# Altium PCB MSP-EXP430FR2433_PCB.PcbDoc (part 2 of 2)
Units mil, origin at the board's own origin, x right, y up, seen from the top; angles counter-clockwise.
Board outline 2300 x 2900 mil, 4 copper layers (Top Layer, VCC Layer, GND Layer, Bottom Layer), stack 30.634 mil thick; 130 components, 92 nets, 410 pads, 310 vias.
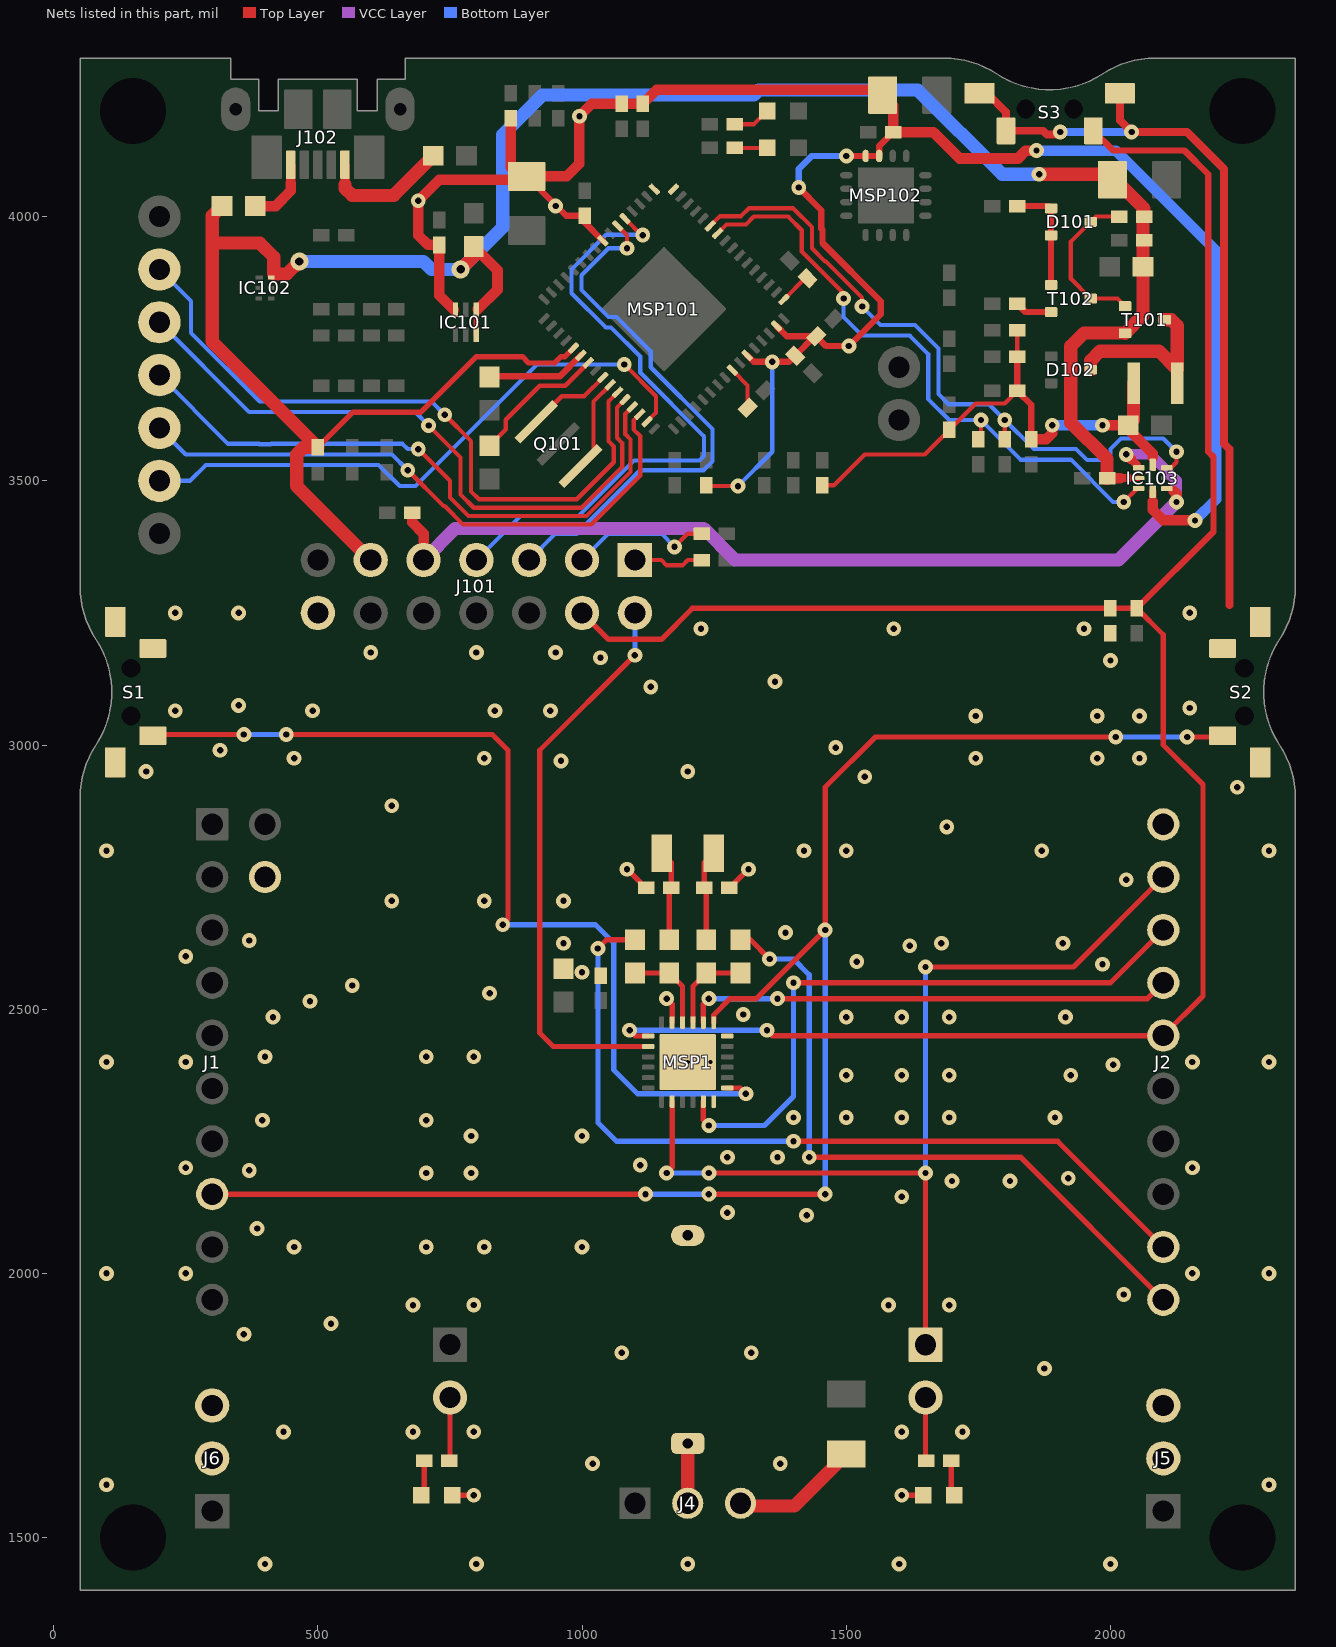
[diagram p4: the nets of this part, all layers, seen from the top]

## Via types
v1: diameter 28, hole 12, Top Layer to Bottom Layer, 304 vias
v2: diameter 19.68, hole 7.87, Top Layer to Bottom Layer, 3 vias
v3: diameter 34, hole 16, Top Layer to Bottom Layer, 2 vias
v4: diameter 32, hole 16, Top Layer to Bottom Layer, 1 vias

## Nets (pads, with @x,y where several pads share a name; then routed paths per layer and width w, separated by ;. In a path a pad name is that pad's centre, name@x,y a point inside that pad or via, vN(x,y) a via of type N, cw(c..) or ccw(c..) an arc to the next point about the centre after c; other vN are vias at no path point) (continued)
EZFET_TCK: MSP101.63 TP106.1 | length 1144.1
  Top Layer w8: v1(1080,3720) 1140,3660 1140,3629 MSP101.63@1123.01,3612.01
  Bottom Layer w8: TP106.1@200,3500 258,3500 288,3530 615,3530 655,3490 685,3490 915,3720 v1(1080,3720)
EZFET_TDI: MSP101.61 TP104.1 | length 1189
  Top Layer w8: v1(690,3560) 750,3500 750,3468.25 785,3433.25 1008.25,3433.25 1091.75,3516.75 1091.75,3578.25 1081.75,3588.25 1081.75,3626.44 MSP101.61@1095.16,3639.86
  Bottom Layer w8: TP104.1@200,3700 330,3570 388.41,3570 389.28,3569.13 410.72,3569.13 411.59,3570 660,3570 670,3560 v1(690,3560)
EZFET_TDO: MSP101.60 TP103.1 | length 1232.5
  Top Layer w8: v1(709.63,3604.63) 770,3544.27 770,3474.13 795,3449.13 999.13,3449.13 1075.87,3525.87 1075.87,3571.58 1065.87,3581.58 1065.87,3638.41 MSP101.60@1081.24,3653.78
  Bottom Layer w8: TP103.1@200,3800 370,3630 684.27,3630 v1(709.63,3604.63)
EZFET_TEST: MSP101.59 TP102.1 | length 1304
  Top Layer w8: v1(740,3625) 790,3575 790,3480 805,3465 990,3465 1060,3535 1060,3565 1050,3575 1050,3650.39 MSP101.59@1067.32,3667.7
  Bottom Layer w8: TP102.1@200,3900 260,3840 260,3780 390,3650 715,3650 v1(740,3625)
EZFET_TMS: MSP101.62 TP105.1 | length 1149.8
  Top Layer w8: v1(670,3520) 737.62,3452.38 740,3452.38 775,3417.38 1017.38,3417.38 1110,3510 1110,3585 1097.62,3597.38 1097.62,3614.47 MSP101.62@1109.09,3625.93
  Bottom Layer w8: TP105.1@200,3600 250,3550 640,3550 v1(670,3520)
EZFET_UARTCTS: MSP101.32
EZFET_UARTRTS: MSP101.33
EZFET_UARTRXD: J101.5 MSP101.38 | length 1044.5
  Top Layer w8: MSP101.38@1067.31,3982.29 1085,3964.6 v1(1085,3940)
  Bottom Layer w8: J101.5@900,3350 950,3400 990,3400 1110,3520 1230,3520 1246.81,3536.81 1246.81,3598.19 1130,3715 1130,3745 1065,3810 1050,3810 999.13,3860.87 999.13,3889.13 1050,3940 v1(1085,3940)
EZFET_UARTTXD: J101.7 MSP101.37 | length 1191.5
  Top Layer w8: MSP101.37@1081.23,3996.21 v1@1113.72,3963.72 ; v1(1115,3965) v1@1113.72,3963.72 ; v1@1113.72,3963.72 1112.44,3962.44 1115,3962.44 v1@1113.72,3963.72
  Bottom Layer w8: J101.7@800,3350 883.25,3433.25 993.25,3433.25 1098.62,3538.62 1221.97,3538.62 1230.87,3547.53 1230.87,3584.13 1110,3705 1110,3735 1055,3790 1045,3790 980,3855 980,3900 1045.87,3965.87 1114.13,3965.87 v1(1115,3965)
EZFET_V18: C102.2 MSP101.55 | length 262.5
  Top Layer w8: C102.2@825,3566.5 855.57,3597.07 855.57,3615.57 920,3680 968.23,3680 MSP101.55@1011.62,3723.39
EZFET_VBUS: C108.2 C109.1 C117.2 C118.2 C125.2 IC101.1 IC101.6 IC102.6 IC103.2 J101.11 L103.2 MSP101.53 R120.2 R124.1 T101.2 | length 4538.1
  Top Layer w10: R124.1@500,3563.62 566.38,3630 695,3630 800,3735 886.99,3735 898.87,3723.13 948.13,3723.13 960,3735 967.54,3735 MSP101.53@983.78,3751.24 ; IC101.6@799.68,3776.38 IC101.1@799.68,3824.41 ; 2035,3505 IC103.2@2053.43,3505
  Top Layer w15: 2018,3505 2035,3505
  Top Layer w20: C108.2@795,3943.5 840,3898.5 840,3861.61 IC101.1@802.8,3824.41 ; C125.2@1993.62,3505 2018,3505
  Top Layer w25: L103.2@318.5,4020 300,4001.5 300,3950 ; v3(465,3915) 441.37,3891.37 416.44,3891.37 416.44,3923.56 390,3950 300,3950 ; J101.11@600,3350 460,3490 460,3550 473.62,3563.62 R124.1@500,3563.62 300,3763.62 300,3950 ; v3(770,3900) 795,3925 C108.2@795,3943.5 ; v1(1865,4080) 1998.82,4080 2063.62,4015.2 R120.2@2063.62,4000 ; C125.2@1993.62,3505 1993.62,3541.38 1925,3610 1925,3755 1950,3780 T101.2@2027.01,3780 ; T101.2@2027.6,3779.41 2061.5,3813.31 C117.2@2061.5,3905 R120.2@2061.5,4002.13
  Bottom Layer w25: v3(465,3915) 700,3915 715,3900 v3(770,3900) 850,3980 850,4155 925,4230 1325,4230 1334.37,4239.37 1635.63,4239.37 1795,4080 v1(1865,4080)
EZFET_VCC: C103.2 C104.1 C105.2 C106.1 C113.2 C114.2 C124.2 IC101.3 IC103.4 MSP101.11 MSP101.15 MSP101.40 MSP102.15 MSP102.16 R109.1 R114.1 R116.1 R117.1 | length 4298.5
  Top Layer w8: R109.1@1236.38,3490 v1(1295,3490)
  Top Layer w12: C104.1@895,4076.18 969.8,4001.38 C103.2@1005,4001.38 ; C103.2@1005,3988.92 MSP101.40@1039.47,3954.45 ; MSP101.11@1312.29,3737.31 1324.6,3725 v1(1360,3725) 1391.59,3725 C114.2@1403.3,3736.7 C113.2@1439.89,3773.3 ; MSP101.15@1367.97,3792.99 1387.66,3773.3 C113.2@1439.89,3773.3 ; v1(1410,4055) 1452.87,4012.13 1452.87,3977.13 1455,3975 1455,3950 1565,3840 1565,3815 v1(1505,3755) 1461.59,3755 C113.2@1443.3,3773.3 C113.2@1439.89,3773.3 ; v1(1500.2,4114.8) MSP102.16@1536.61,4114.8 MSP102.15@1562.2,4114.8 1562.2,4133.58 C124.2@1588.62,4160
  Top Layer w15: 2080,3460 IC103.4@2080,3479.41
  Top Layer w20: IC101.3@757.2,3823.62 730,3850.83 C105.2@730,3946.38 708.62,3946.38 690,3965 v1(690,4030) 730,4070 C104.1@888.82,4070 ; R114.1@865,4186.38 865,4093.82 C104.1@888.82,4070 ; v1(1860,4125) 1840,4125 1825,4110 1715,4110 1665,4160 C124.2@1588.62,4160 1588.62,4210.2 C106.1@1568.82,4230 1558.82,4240 1141.38,4240 R116.1@1115,4213.62 R117.1@1075,4213.62 1018.62,4213.62 v1(995,4190) 995,4100 971.18,4076.18 C104.1@895,4076.18 C104.1@888.82,4070 ; 2080,3460 2080,3445 2100,3425 v1(2160,3425)
  Bottom Layer w8: v1(1295,3490) 1360,3555 v1(1360,3725)
  Bottom Layer w12: v1(1410,4055) 1410,4090 1434.8,4114.8 v1(1500.2,4114.8)
  Bottom Layer w20: v1(1860,4125) 2010,4125 2200,3935 2200,3465 v1(2160,3425)
  other v1: 950,4020
EZFET_VCCEN1: IC103.3 MSP101.26 R107.2 | length 1182.1
  Top Layer w8: MSP101.26@1256.61,3968.38 1273.23,3985 1310,3985 1325,4000 1390,4000 1415.87,3974.13 1415.87,3934.13 1495,3855 v1(1495,3845) ; R107.2@1750,3578.62 1755,3583.62 v1(1755,3615) ; v1(2025,3460) 2050,3485 2053.11,3485 IC103.3@2053.43,3485.31
  Bottom Layer w8: v1(1495,3845) 1495,3810 1530,3775 1620,3775 1655,3740 1655,3655 1695,3615 v1(1755,3615) 1830,3540 1925,3540 2005,3460 v1(2025,3460)
EZFET_VCCEN2: IC103.7 MSP101.27 R108.2 | length 1289.7
  Top Layer w8: MSP101.27@1242.68,3982.3 1261.26,4000.87 1300.87,4000.87 1315.87,4015.87 1399.13,4015.87 1435,3980 1435,3940 1460,3915 1461.59,3915 1530,3846.59 v1(1530,3830) ; R108.2@1800,3578.62 v1(1800,3615) ; IC103.7@2106.57,3524.69 2114.68,3524.69 2125,3535 v1(2125,3555)
  Bottom Layer w8: v1(1530,3830) 1565,3795 1630,3795 1674.5,3750.5 1674.5,3664.12 1693.62,3645 1770,3645 v1(1800,3615) 1855,3560 1935,3560 1955.87,3539.13 1989.13,3539.13 2000,3550 2000,3560 2020,3580 2100,3580 v1(2125,3555)
EZFET_VCCOUT: C119.2 C120.2 IC103.8 L101.2 R112.1 R121.1 R126.2 R127.2 R128.1 | length 1041
  Top Layer w8: R121.1@1455,3491.38 1476.38,3491.38 1535,3550 1648.62,3550 R112.1@1695,3596.38 1744.94,3646.31 1799.94,3646.31 R127.2@1823.62,3670 ; R128.1@1823.62,3735 R126.2@1823.62,3785
  Top Layer w10: IC103.8@2080,3530.59 2080,3545
  Top Layer w12: R128.1@1823.62,3735 R127.2@1823.62,3670 1850,3643.62 C120.2@1850,3578.62
  Top Layer w20: C120.2@1850,3578.62 1878.62,3578.62 1890,3590 v1(1890,3605) ; v1(1985,3605) C119.2@2033.5,3605 2033.5,3597.95 2080,3551.46 2080,3545
  Top Layer w25: C119.2@2033.5,3605 2043.66,3615.16 L101.2@2043.66,3685
  Bottom Layer w20: v1(1890,3605) v1(1985,3605)
EZFET_VCCTARGET: C127.1 IC103.1 IC103.5 J101.9 | length 1845.7
  Top Layer w8: IC103.5@2106.57,3485.31 IC103.5@2114.68,3485.31
  Top Layer w12: 2050,3530 IC103.1@2053.43,3526.57 ; IC103.5@2114.68,3485.31 2120,3480
  Top Layer w15: v1@2038.58,3541.42 2050,3530
  Top Layer w20: C127.1@678.62,3440 678.62,3421.38 700,3400 J101.9@700,3350 ; v1(2030,3550) v1@2038.58,3541.42 ; 2120,3480 2125,3475 v1(2125,3460)
  VCC Layer w20: v1(2030,3550) 2075,3550 2125,3500 v1(2125,3460)
  VCC Layer w25: J101.9@700,3350 760,3410 1230,3410 1290,3350 2015,3350 v1(2125,3460)
EZFET_VREF: C121.2 MSP101.9 | length 83.1
  Top Layer w8: MSP101.9@1284.45,3709.47 1313.3,3680.62 C121.2@1313.3,3638.3
EZFET_VUSB: C107.2 MSP101.54 | length 189.6
  Top Layer w12: C107.2@825,3696.5 826.38,3697.87 958.26,3697.87 MSP101.54@997.7,3737.32
GND: C1.2 C2.2 C3.2 C4.2 C5.1 C6.2 J2.20 J3.22 J5.2 J5.3 J6.2 J6.3 J101.14 LED1.2 LED2.2 MSP1.18 MSP1.23 MSP1.25@1200,2400 S1.1 S1.2 S1.3 S2.1 S2.2 S2.4 S3.1 S3.2 S3.4 | length 1688.8
  Top Layer w10: LED1.2@754.53,1580.14 v1(795,1580.14) ; v1(1085,2765) 1120,2730 C3.2@1121.38,2730 ; v1(1160,2520) 1170.47,2509.53 MSP1.23@1170.47,2474.8 ; C2.2@1278.62,2730 1280,2730 v1(1315,2765) ; v1(1605,1580) LED2.2@1645.47,1580
  Top Layer w15: S3.2@1752.13,4233.31 1766.69,4233.31 1802.32,4197.68 S3.4@1802.32,4162.44 1872.56,4162.44 1880,4155 v1@1905,4155 ; S3.1@2017.87,4233.31 2017.87,4182.13 v1(2040,4160) 2145,4160 2215,4090 2215,3570 2225,3560 2225,3265
  Bottom Layer w15: v1(1905,4160) v1(2040,4160)
  other v1: 400,1450 800,1450 1200,1450 1600,1450 2000,1450 100,1600 2300,1600 1020,1640 1375,1640 435,1700 680,1700 795,1700.14 1605,1700 1720,1700 1875,1820 1075,1850 1320,1850 360,1885 525,1905 680,1940 795,1940.14 1580,1940 1695,1940 2025,1960 100,2000 250,2000 2155,2000 2300,2000 455,2050 705,2050 815,2050 1000,2050 385,2085 1425,2110 1275,2115 1605,2145 1700,2175 1810,2175 1920,2180 705,2190 790,2190 370,2195 250,2200 2155,2200 1110,2205 1275,2220 1370,2220 790,2260 1000,2260 395,2290 705,2290 1400,2295 1500,2295 1605,2295 1695,2295 1895,2295 1500,2375 1605,2375 1695,2375 1925,2375 2005,2395 100,2400 250,2400 2155,2400 2300,2400 400,2410 705,2410 795,2410 415,2485 1500,2485 1605,2485 1695,2485 1915,2485 1305,2490 485,2515 825,2530 565,2545 1000,2570 1985,2585 1520,2590 250,2600 1620,2620 965,2625 1680,2625 1910,2625 370,2630 1385,2645 640,2705 815,2705 965,2705 2030,2745 100,2800 1420,2800 1500,2800 1870,2800 2300,2800 1690,2845 640,2885 2240,2920 1535,2940 175,2950 1200,2950 960,2970 455,2975 815,2975 1745,2975 1975,2975 2055,2975 315,2990 1480,2995 1745,3055 1975,3055 2055,3055 230,3065 490,3065 835,3065 940,3065 2150,3070 350,3075 1130,3110 1365,3120 2000,3160 1035,3165 600,3175 800,3175 950,3175 1225,3220 1590,3220 1950,3220 230,3250 350,3250 2150,3250
  other v2: 1156.69,2400 1200,2400 1243.31,2400
LED2: J2.19 J11.1 MSP1.8 | length 1865
  Top Layer w10: v1(1160,2190) 1170.47,2200.47 MSP1.8@1170.47,2325.2 ; v1(1240,2190) v1(1650,2190) J11.1@1650,1865 ; v1(1650,2580) 1930,2580 J2.19@2100,2750
  Bottom Layer w10: v1(1160,2190) v1(1240,2190) ; v1(1650,2190) v1(1650,2580)
NetC6_1: C6.1 J4.2 | length 117.1
  Top Layer w25: J4.2@1200,1565 C6.1@1200,1682.15
NetC101_2: C101.2 MSP101.17 | length 61.5
  Top Layer w8: MSP101.17@1381.91,3843.07 1422.14,3883.3 C101.2@1426.7,3883.3
NetD101_1: D101.1 D101.2 R118.1 T102.1 | length 210.8
  Top Layer w12: R118.1@1823.62,4020 1883.19,4020 D101.1@1887.6,4015.59 T102.1@1887.6,3870.59
NetD101_3: D101.3 R120.1 T101.1 T102.3 | length 305.3
  Top Layer w8: R120.1@2016.38,4000 1972.4,4000 D101.3@1962.4,3990 1925,3952.6 1925,3882.4 T102.3@1962.4,3845 2013.19,3845 T101.1@2027.6,3830.59
NetD102_3: D102.3 L101.1 T101.3 | length 314.6
  Top Layer w25: D102.3@1962.4,3710 1962.4,3727.4 1980,3745 2091.93,3745 2126.34,3710.59 2126.34,3793.66 2115,3805 T101.3@2102.4,3805
NetJ4_3: J4.3 R8.2 | length 240.6
  Top Layer w25: J4.3@1300,1560 1402.09,1560 R8.2@1500,1657.91
NetJ10_2: J10.2 R6.2 | length 120.6
  Top Layer w10: R6.2@748.62,1645.14 750,1646.51 J10.2@750,1765.14
NetJ11_2: J11.2 R7.2 | length 120.6
  Top Layer w10: J11.2@1650,1765 1650,1646.38 R7.2@1651.38,1645
NetJ101_1: J101.1 R129.2 | length 134.7
  Top Layer w8: J101.1@1100,3350 1150,3350 1160,3340 1190,3340 1200,3350 R129.2@1226.38,3350
NetJ101_3: J101.3 R130.2 | length 267.8
  Top Layer w8: v1(1175,3375) 1200,3400 R130.2@1226.38,3400
  Bottom Layer w8: J101.3@1000,3350 1050,3400 1150,3400 v1(1175,3375)
NetJ102_1: J102.1 L103.1 | length 128.6
  Top Layer w17.5: 448.79,4065.06 J102.1@448.82,4098.19
  Top Layer w18: 448.79,4063.64 448.79,4065.06
  Top Layer w20: L103.1@381.5,4020 420,4020 448.79,4048.79 448.79,4063.64
NetJ102_5: J102.5 L102.1 | length 243.2
  Top Layer w17.5: 551.18,4065.39 J102.5@551.18,4098.19
  Top Layer w25: 551.21,4060.11 551.21,4053.79 565,4040 643.5,4040 L102.1@718.5,4115
NetLED1_1: LED1.1 R6.1 | length 67.4
  Top Layer w10: LED1.1@695.47,1580.14 701.38,1586.04 R6.1@701.38,1645.14
NetLED2_1: LED2.1 R7.1 | length 67.4
  Top Layer w10: R7.1@1698.62,1645 1698.62,1585.91 LED2.1@1704.53,1580
NetLED101_1: LED101.1 R101.1 | length 61.9
  Top Layer w8: R101.1@1288.62,4130 LED101.1@1350.47,4130
NetLED102_1: LED102.1 R102.1 | length 72.2
  Top Layer w8: R102.1@1288.62,4175 1325.47,4175 LED102.1@1350.47,4200
NetMSP101_57: MSP101.57 Q101.1 | length 160.9
  Top Layer w8: Q101.1@913.24,3611.76 961.48,3660 1003.92,3660 MSP101.57@1039.47,3695.55
NetMSP101_58: MSP101.58 Q101.3 | length 176.8
  Top Layer w8: Q101.3@996.76,3528.24 1021.81,3553.3 1021.81,3650.04 MSP101.58@1053.39,3681.62
NetR119_2: R119.2 T102.2 | length 70.4
  Top Layer w12: R119.2@1823.62,3835 1839.21,3819.41 T102.2@1887.6,3819.41
P2.0: MSP1.21 R2.2 R4.2 | length 169.1
  Top Layer w10: MSP1.21@1209.84,2474.8 1209.84,2543.35 R2.2@1235,2568.5 R4.2@1300,2568.5
P2.0_BP: J2.11 R4.1 | length 1284.4
  Top Layer w10: R4.1@1300,2631.5 1318.5,2631.5 v1(1355,2595) ; v1(1430,2220) 1830,2220 J2.11@2100,1950
  Bottom Layer w10: v1(1355,2595) 1400,2595 1430,2565 v1(1430,2220)
P2.1: MSP1.22 R3.2 R5.2 | length 169.1
  Top Layer w10: R5.2@1100,2568.5 R3.2@1165,2568.5 1190.16,2543.35 MSP1.22@1190.16,2474.8
P2.1_BP: J2.12 R5.1 | length 1574.2
  Top Layer w10: v1(1030,2615) 1046.5,2631.5 R5.1@1100,2631.5 ; v1(1400,2250) 1900,2250 J2.12@2100,2050
  Bottom Layer w10: v1(1030,2615) 1030,2285 1065,2250 v1(1400,2250)
P2.2: J2.18 MSP1.11 | length 1188.7
  Top Layer w10: MSP1.11@1229.53,2325.2 1229.53,2290.47 v1(1240,2280) ; v1(1400,2550) 2000,2550 J2.18@2100,2650
  Bottom Layer w10: v1(1240,2280) 1345,2280 1400,2335 v1(1400,2550)
P2.3: MSP1.13 S1.4 | length 1792.9
  Top Layer w10: S1.4@187.56,3017.32 190.24,3020 v1(360,3020) ; v1(440,3020) 830,3020 860,2990 860,2670 v1(850,2660) ; MSP1.13@1274.8,2350.79 1299.21,2350.79 v1(1310,2340)
  Bottom Layer w10: v1(360,3020) v1(440,3020) ; v1(850,2660) 1025,2660 1060,2625 1060,2385 1105,2340 v1(1310,2340)
P2.7: J1.8 MSP1.19 S2.3 | length 3014.5
  Top Layer w10: J1.8@300,2150 v1(1120,2150) ; v1(1240,2150) v1(1460,2150) ; MSP1.19@1249.21,2474.8 1249.21,2489.21 1280,2520 1330,2520 v1(1460,2650) 1460,2920 1555,3015 v1(2010,3015) ; v1(2145,3015) 2210.12,3015 S2.3@2212.44,3017.32
  Bottom Layer w10: v1(1120,2150) v1(1240,2150) ; v1(1460,2150) v1(1460,2650) ; v1(2010,3015) v1(2145,3015)
P3.0: MSP1.12
P3.2: J2.17 MSP1.20 | length 922
  Top Layer w10: MSP1.20@1229.53,2474.8 1229.53,2509.53 v1(1240,2520) ; v1(1370,2520) 2070,2520 J2.17@2100,2550
  Bottom Layer w10: v1(1240,2520) v1(1370,2520)
R\S\T\: C1.1 J2.16 J101.4 MSP1.1 R1.1 S3.3 | length 4177.3
  Top Layer w10: J101.4@1000,3250 1050,3200 1150,3200 1208.62,3258.62 C1.1@2000,3258.62 R1.1@2050,3258.62 2100,3208.62 2100,3000 2175,2925 2175,2525 J2.16@2100,2450 1360,2450 v1(1350,2460) ; v1(1090,2460) 1100.79,2449.21 MSP1.1@1125.2,2449.21
  Top Layer w12: S3.3@1967.68,4162.44 2005.12,4125 2140,4125 2185,4080 2185,3555 2195,3545 2195,3403.62 R1.1@2050,3258.62
  Bottom Layer w10: v1(1090,2460) v1(1350,2460)
SBWTCK: J101.2 MSP1.2 | length 1090.3
  Top Layer w10: v1@1100,3175 v1(1100,3170) 920,2990 920,2455 945.47,2429.53 MSP1.2@1125.2,2429.53
  Bottom Layer w10: v1(1100,3170) J101.2@1100,3250
XIN: C3.1 Q1.1 R3.1 | length 172.4
  Top Layer w10: Q1.1@1150.79,2795 1168.62,2777.17 C3.1@1168.62,2730 1165,2726.38 R3.1@1165,2631.5
XOUT: C2.1 Q1.2 R2.1 | length 172.4
  Top Layer w10: R2.1@1235,2631.5 1235,2726.38 C2.1@1231.38,2730 1231.38,2777.17 Q1.2@1249.21,2795
pads on no net: IC101.4 IC101.5 IC102.2 J102.4 MH1.1 MH2.1 MH3.1 MH4.1 MSP1.25@1172.64,2372.64 MSP1.25@1172.64,2427.36 MSP1.25@1227.36,2372.64 MSP1.25@1227.36,2427.36 MSP101.3 MSP101.4 MSP101.10 MSP101.12 MSP101.13 MSP101.18 MSP101.19 MSP101.22 MSP101.23 MSP101.24 MSP101.25 MSP101.29 MSP101.30 MSP101.31 MSP101.36 MSP101.41 MSP101.42 MSP101.46 MSP101.47 MSP101.48 MSP101.65@1077.61,3825 MSP101.65@1116.3,3786.3 MSP101.65@1116.3,3863.7 MSP101.65@1155,3747.61 MSP101.65@1155,3825 MSP101.65@1155,3902.39 MSP101.65@1193.7,3786.3 MSP101.65@1193.7,3863.7 MSP101.65@1232.39,3825 S1. S2. S3. SH-J4.0 SH-J10.0 SH-J11.0 SH-J101-1.0 SH-J101-2.0 SH-J101-3.0 SH-J101-4.0 SH-J101-5.0 SH-J101-6.0 SH-J101-7.0
copper on no net:
  other v1: 890,3890 955,3955

## Polygon pours and split planes (outlines as drawn)
EZ_GND on GND Layer "EZ_GND-GND" (solid, remove dead copper, pour order 5): 50,4300 2350,4300 2350,3310 50,3310
GND on GND Layer "GND-GND" (solid, remove dead copper, pour order 16): 50,3290 2350,3290 2350,1400 50,1400
EZ_GND on Bottom Layer "EZ_GND-BOT" (solid, remove dead copper, pour order 8): 50,4300 2350,4300 2350,3310 50,3310
GND on Bottom Layer "GND-BOTTOM" (solid, remove dead copper, pour order 19): 50,3290 2350,3290 2350,1400 50,1400
EZFET_VCC on VCC Layer "EZFET_VCC-VCC" (solid, remove dead copper, pour order 10): 50,4300 2350,4300 2350,3310 50,3310
3V3 on VCC Layer "3V3-VCC" (solid, remove dead copper, pour order 18): 50,3290 2350,3290 2350,1400 50,1400
EZ_GND on Top Layer "EZ_GND_USB_CONNECTION" (solid, remove dead copper, pour order 12): 695,4280 695,4150 750,4095 840,4095 840,4280
GND on Top Layer "GND-TOP" (solid, remove dead copper, pour order 14): 50,3290 2350,3290 2350,1400 50,1400
3V3 on Top Layer "TOP_LAYER_3V3_P019" (solid, remove dead copper, pour order 4): 1425,1745 1425,1915 1575,1915 1575,1745

## Keep-outs
Keep-Out Layer:
  text ".Layer_Name" at 577,-858.49 h60

## Other copper
Top Layer:
  pour cut-out: 1030,3730 1075,3685 1075,3680 1050,3655 1050,3550 970,3470 850,3590 940,3680 980,3680
  pour cut-out: 1180,2460 1220,2460 1220,2530 1230,2540 1325,2540 1330,2545 1330,2660 1310,2680 1310,2745 1285,2770 1285,2840 1280,2845 1120,2845 1115,2840 1115,2770 1090,2745 1090,2680 1070,2660 1070,2545 1075,2540 1170,2540 1180,2530
  text ".Layer_Name" at 577,-858.49 h60
VCC Layer:
  pour cut-out: 1030,3730 1075,3685 1075,3680 1050,3655 1050,3550 970,3470 850,3590 940,3680 980,3680
  pour cut-out: 1180,2460 1220,2460 1220,2530 1230,2540 1325,2540 1330,2545 1330,2660 1310,2680 1310,2745 1285,2770 1285,2840 1280,2845 1120,2845 1115,2840 1115,2770 1090,2745 1090,2680 1070,2660 1070,2545 1075,2540 1170,2540 1180,2530
GND Layer:
  pour cut-out: 1030,3730 1075,3685 1075,3680 1050,3655 1050,3550 970,3470 850,3590 940,3680 980,3680
  pour cut-out: 1180,2460 1220,2460 1220,2530 1230,2540 1325,2540 1330,2545 1330,2660 1310,2680 1310,2745 1285,2770 1285,2840 1280,2845 1120,2845 1115,2840 1115,2770 1090,2745 1090,2680 1070,2660 1070,2545 1075,2540 1170,2540 1180,2530
Bottom Layer:
  pour cut-out: 1030,3730 1075,3685 1075,3680 1050,3655 1050,3550 970,3470 850,3590 940,3680 980,3680
  pour cut-out: 1180,2460 1220,2460 1220,2530 1230,2540 1325,2540 1330,2545 1330,2660 1310,2680 1310,2745 1285,2770 1285,2840 1280,2845 1120,2845 1115,2840 1115,2770 1090,2745 1090,2680 1070,2660 1070,2545 1075,2540 1170,2540 1180,2530
  text ".Layer_Name" at 577,-858.49 h60

## Silkscreen, mask and mechanical layers (free items; w line width, h text height)
Top Overlay:
  rectangle: 1470,2615 1495,2665
  rectangle: 1575,2615 1600,2665
  rectangle: 1770,2615 1795,2665
  rectangle: 1735,2615 1760,2665
  lines w5: 1650,2520 1650,2715 ; 1420,2520 1880,2520 1880,2715 1420,2715 1420,2520 ; 1470,2615 1495,2615 1495,2665 1470,2665 1470,2615 ; 1505,2615 1530,2615 1530,2665 1505,2665 1505,2615 ; 1540,2615 1540,2665 1565,2665 1565,2615 1540,2615 ; 1575,2615 1600,2615 1600,2665 1575,2665 1575,2615 ; 1700,2615 1700,2665 1725,2665 1725,2615 1700,2615 ; 1735,2615 1735,2665 1760,2665 1760,2615 1735,2615 ; 1770,2615 1795,2615 1795,2665 1770,2665 1770,2615 ; 1805,2615 1805,2665 1830,2665 1830,2615 1805,2615
  lines w8: 1200,1450 1200,1465 ; 1200,1475 1200,1490 ; 1200,1500 1200,1515
  lines w10: 50,3300 150,3300 ; 250,3300 350,3300 ; 450,3300 550,3300 ; 650,3300 750,3300 ; 850,3300 950,3300 ; 1050,3300 1150,3300 ; 1250,3300 1350,3300 ; 1450,3300 1550,3300 ; 1650,3300 1750,3300 ; 1850,3300 1950,3300 ; 2050,3300 2150,3300 ; 2250,3300 2350,3300
  text "MSP RST" at 1715,4095 h40
  text "eZ-FET Debug Probe" at 1315,3330 h40
  text "Rev1.4" at 2045,3330 h30
  text "MSP-EXP430FR2433" at 2280,3320 h50 r90
  text "Rev .PCB_Rev" at 2334.71,3319.67 h30 r90
  text "P2.3" at 215,3080 h40
  text "P2.7" at 2045,3080 h40
  text "Crystal" at 1555,2810 h30
  text "Selection" at 1525,2770 h30
  text "P1.0" at 95,2730 h40
  text "Resistors" at 1525,2730 h30
  text "P1.1" at 2165,2730 h40
  text "R5" at 1465,2675 h20
  text "R4" at 1570,2675 h20
  text "R3" at 1725,2675 h20
  text "R2" at 1770,2675 h20
  text "P1.5" at 95,2630 h40
  text "P2.2" at 2165,2630 h40
  text "P2.1" at 1440,2585 h20
  text "P2.0" at 1560,2585 h20
  text "XIN" at 1705,2585 h20
  text "XOUT" at 1775,2585 h20
  text "J2 Pins" at 1435,2540 h30
  text "Crystal" at 1670,2540 h30
  text "P1.4" at 95,2530 h40
  text "P3.2" at 2165,2530 h40
  text "(Default)" at 1420,2475 h30
  text "P1.6" at 95,2430 h40
  text "RST" at 2165,2430 h40
  text "P1.7" at 95,2330 h40
  text "P2.6" at 2165,2330 h40
  text "MSP430FR2433" at 965,2255 h40
  text "P2.4" at 95,2230 h40
  text "P2.5" at 2165,2230 h40
  text "P2.7" at 95,2130 h40
  text "P3.1" at 2165,2130 h40
  text "Super" at 980,2085 h30
  text "Cap" at 1295,2085 h30
  text "P1.3" at 95,2030 h40
  text "P2.1" at 2165,2030 h40
  text "P1.2" at 95,1930 h40
  text "P1.0" at 720,1930.14 h40 r45
  text "P1.1" at 1620,1930 h40 r45
  text "P2.0" at 2165,1930 h40
  text "DNP" at 1160,1865 h30
  text "1" at 1020,1520 h30
  text "3" at 1370,1520 h30
  text "Use" at 1075,1465 h30
  text "Charge" at 1225,1465 h30
  text ".Layer_Name" at 577,-858.49 h60
Bottom Overlay:
  drawing of 4643 lines, arcs and shapes, not listed
  text "P1.0" at 235,2730 h40
  text "P1.1" at 2305,2730 h40
  text "P1.5" at 235,2630 h40
  text "P2.2" at 2305,2630 h40
  text "P1.4" at 235,2530 h40
  text "P3.2" at 2305,2530 h40
  text "P1.6" at 235,2430 h40
  text "RST" at 2275,2430 h40
  text "P1.7" at 235,2330 h40
  text "P2.6" at 2305,2330 h40
  text "P2.4" at 235,2230 h40
  text "P2.5" at 2305,2230 h40
  text "P2.7" at 235,2130 h40
  text "P3.1" at 2305,2130 h40
  text "P1.3" at 235,2030 h40
  text "P2.1" at 2305,2030 h40
  text "P1.2" at 235,1930 h40
  text "P2.0" at 2305,1930 h40
  text "'.PRJ_Number'" at 495,1430 h40
  text ".Layer_Name" at 577,-858.49 h60
Top Paste:
  text ".Layer_Name" at 577,-858.49 h60
Bottom Paste:
  text ".Layer_Name" at 577,-858.49 h60
Top Solder:
  text ".Layer_Name" at 577,-858.49 h60
  text ".Layer_Name" at 577,-858.49 h60
Bottom Solder:
  text ".Layer_Name" at 577,-858.49 h60
Drill Guide:
  text ".Layer_Name" at 577,-858.49 h60
M1 Board Outline:
  the board outline again, w10
  text ".Layer_Name" at 577,-858.49 h60
M2 Board Dimensions:
  rectangle: 0,-275 125,-150
  rectangle: 125,-400 500,-275
  lines w7: 0,-275 1000,-275 ; 125,-400 125,-150 ; 250,-400 250,-150 ; 500,-400 500,-150 ; 750,-400 750,-150 ; 0,-400 1000,-400 1000,-150 0,-150 0,-400
  text ".Layer_Name" at 577,-858.49 h60
M3 3D STEP Top:
  text ".Layer_Name" at 577,-858.49 h60
M4 3D STEP Bottom:
  text ".Layer_Name" at 577,-858.49 h60
M5 Assembly Top:
  lines w10: -292,-930.17 6308,-930.17 ; -292,-726.83 6310,-726.83 ; -292,-523.5 -292,-1133.5 3713,-1133.5 6310,-1133.5 6310,-523.5 -291.5,-523.5 -291.5,-1133.5 1284,-1133.5 ; 2173,-1133.5 2173,-523.5 ; 3440,-726.83 3440,-523.5 ; 4280,-726.83 4280,-523.5 ; 4902,-1140 4902,-937.17
  text "COMPONENTS MARKED 'DNP' SHOULD NOT BE POPULATED." at 1153.5,-318.5 h60
  text "ASSEMBLY VARIANT:" at 1153,-434 h60
  text ".VariantName" at 2189,-434 h60
  text "PCB VIEWED FROM TOP SIDE" at -228.5,-655.67 h60
  text "BOARD #:" at 2248,-655.67 h60
  text ".PRJ_Number" at 2793.5,-655.67 h60
  text "REV:" at 3638,-655.67 h60
  text ".PCB_Rev" at 3929.5,-655.67 h60
  text "SVN REV:" at 4476,-655.67 h60
  text ".VersionControl_RevNumber" at 4982,-655.67 h60
  text "TID #:" at 2248,-859 h60
  text ".TID" at 2793.5,-859 h60
  text "PLOT NAME =" at -228.5,-1064.34 h60
  text ".plot_File_Name" at 577,-1064.34 h60
  text "GENERATED    :" at 2250,-1064.34 h60
  text ".Print_Date" at 3119.5,-1064.34 h60
  text ".Print_Time" at 3848.5,-1064.34 h60
  text "TEXAS INSTRUMENTS" at 5113,-1064.34 h60
M6 Assembly Bottom:
  lines w10: -292.5,-727.33 6309.5,-727.33 ; -290.5,-930.67 6309.5,-930.67 ; 1115.5,-1140.5 1115.5,-937.67 ; 1737.5,-727.33 1737.5,-524 ; 2577.5,-727.33 2577.5,-524 ; 3844.5,-1134 3844.5,-524 ; 4733.5,-1134 6309,-1134 6309,-524 -292.5,-524 -292.5,-1134 2304.5,-1134 6309.5,-1134 6309.5,-524
  text "COMPONENTS MARKED 'DNP' SHOULD NOT BE POPULATED." at 6102,-318 h60
  text ".VariantName" at 5058,-434 h60
  text "ASSEMBLY VARIANT:" at 6097,-434 h60
  text ".VersionControl_RevNumber" at 1035.5,-656.17 h60
  text "SVN REV:" at 1541.5,-656.17 h60
  text ".PCB_Rev" at 2088,-656.17 h60
  text "REV:" at 2379.5,-656.17 h60
  text ".PRJ_Number" at 3224,-656.17 h60
  text "BOARD #:" at 3769.5,-656.17 h60
  text "PCB VIEWED FROM BOTTOM SIDE" at 6246,-656.17 h60
  text ".TID" at 3224,-859.5 h60
  text "TID #:" at 3769.5,-859.5 h60
  text "TEXAS INSTRUMENTS" at 904.5,-1064.84 h60
  text ".Print_Time" at 2169,-1064.84 h60
  text ".Print_Date" at 2898,-1064.84 h60
  text "GENERATED    :" at 3767.5,-1064.84 h60
  text ".plot_File_Name" at 5440.5,-1064.84 h60
  text "PLOT NAME =" at 6246,-1064.84 h60
M9 Title Sheet:
  drawing of 57 lines, arcs and shapes, not listed
  text "1" at 739.84,8036.5 h70
  text "2" at 3235.5,8036.5 h70
  text "3" at 5724.84,8036.5 h70
  text "4" at 8231.51,8036.5 h70
  text "5" at 10730.5,8036.5 h70
  text "6" at 13235.5,8036.5 h70
  text "A" at -416.5,6893.5 h70
  text "A" at 14383.5,6893.5 h70
  text "B" at -416.5,4513.5 h70
  text "B" at 14383.5,4513.5 h70
  text "C" at -416.5,2138.5 h70
  text "C" at 14383.5,2138.5 h70
  text "PROJECT TITLE:" at 11343.5,277.5 h45
  text ".PRJ_Title" at 11393.5,144.17 h70
  text "DESIGNED FOR:" at 11343.5,-23.5 h45
  text ".PRJ_Customer" at 11393.5,-163.5 h70
  text "D" at -416.5,-231.5 h70
  text "D" at 14383.5,-231.5 h70
  text "FILE NAME:" at 11343.5,-323.5 h45
  text ".PCB_File_Name_No_Path" at 11393.5,-443.5 h70
  text "Texas Instruments (TI) and/or its licensors do not warrant the accuracy or completeness of this specification" at 6374,-605.34 h45
  text "ENGINEER:" at 11343.5,-613.5 h45
  text "LAYOUT BY:" at 12848.5,-613.5 h45
  text "or any information contained therein. TI and/or its licensors do not warrant that this design will meet" at 6329.01,-718 h45
  text ".PRJ_Engineer" at 11393.5,-768.49 h70
  text ".PCB_Layout" at 12899,-768.49 h70
  text "the specifications, will be suitable for your application or fit for any particular purpose, or will operate in" at 6329.01,-830.67 h45
  text ".Layer_Name" at 577,-858.49 h60
  text "ALTIUM DESIGNER VERSION:" at 12848.5,-923.5 h45
  text "an implementation. TI and/or its licensors do not warrant that the design is production worthy. You should" at 6329.01,-943.33 h45
  text "completely validate and test your design implementation to confirm the system functionality for your application." at 6374,-1056 h45
  text ".print_Scale" at 11393.5,-1056.83 h70
  text ".Application_BuildNumber" at 12899,-1056.83 h70
  text "1" at 739.84,-1263.5 h70
  text "2" at 3235.5,-1263.5 h70
  text "3" at 5724.84,-1263.5 h70
  text "4" at 8231.51,-1263.5 h70
  text "5" at 10730.5,-1263.5 h70
  text "6" at 13235.5,-1263.5 h70
M10 Fab Notes:
  drawing of 173 lines, arcs and shapes, not listed
  text "DESIGN INFORMATION" at 12378.02,6201 h60
  text "MIN. TRACK WIDTH:" at 11733.46,6021 h60
  text "8" at 12829.7,6021 h60
  text "MIL" at 12984.46,6021 h60
  text "MIN. CLEARANCE:" at 11733.46,5889 h60
  text "0.2" at 12769.7,5889 h60
  text "mm" at 12984.46,5889 h60
  text "MIN. VIA PAD SIZE:" at 11733.46,5757 h60
  text "24" at 12799.71,5757 h60
  text "MIL" at 12984.46,5757 h60
  text "0.05mm (2MIL)" at 12428.46,5615.29 h60
  text "MINIMUM ANNULAR RING" at 11404.23,5611 h60
  text "EXTERNAL" at 13136.46,5611 h60
  text "PER" at 11604.23,5493 h60
  text "IPC-D-275 CLASS 2 LEVEL C" at 11824.23,5493 h60
  text "MIL, HOLES" at 13312.46,5380.71 h60
  text "+/-" at 12920,5380 h60
  text "+/-" at 13774,5380 h60
  text "REGISTRATION TOLERANCES:" at 11404.23,5375 h60
  text "METAL" at 12604,5375 h60
  text "5" at 13180.2,5375 h60
  text "3" at 14013.2,5375 h60
  text "MIL" at 14129.46,5375 h60
  text "+/-" at 13774,5262 h60
  text "HOLE SIZE TOLERANCE (UNLESS OTHERWISE SPECIFIED):" at 11404.23,5257 h60
  text "3" at 14013.2,5257 h60
  text "MIL" at 14129.46,5257 h60
  text "MATERIAL:" at 11329.46,5047.54 h60
  text "FR-4 High Tg" at 12315.9,4907.21 h60
  text "FR-408" at 11750.46,4898.64 h60
  text "OTHER" at 13238.46,4898.64 h60
  text "X" at 12161,4895 h60
  text "62 MIL (1.6mm) +/-10%" at 12070.56,4735.92 h60
  text "THICKNESS:" at 11404.23,4731.64 h60
  text "X" at 11942.4,4731.64 h60
  text "OTHER" at 13355.46,4731.64 h60
  text "TOLERANCE:" at 11404.23,4573.64 h60
  text "X" at 12243.53,4573.64 h60
  text "ANSI IPC-6012 TYPE 3 CLASS 2" at 12430.48,4573.64 h60
  text "OTHER +/-" at 12430.46,4417.64 h60
  text "BOW & TWIST:" at 11404.23,4260.64 h60
  text "X" at 12243.53,4260.64 h60
  text "ANSI IPC-6012 TYPE 3 CLASS 2" at 12430.48,4260.64 h60
  text "OTHER +/-" at 12430.46,4102.13 h60
  text "DRILLING:" at 11329.46,3963.64 h60
  text "REFERENCE:" at 11404.23,3846.64 h60
  text "X" at 12052.46,3846.64 h60
  text "AS SHOWN" at 12239.46,3846.64 h60
  text "X" at 12953.46,3846.64 h60
  text "NC_DRILL FILES" at 13090.46,3846.64 h60
  text "PTH COPPER THICKNESS:" at 11404.23,3688.64 h60
  text "X" at 12534.46,3688.64 h60
  text "20-30 um" at 12671.46,3688.64 h60
  text "OTHER" at 13388.46,3688.64 h60
  text "BOARD FINISH:" at 11329.46,3529.64 h60
  text "SILKSCREEN:" at 11484.68,3411.64 h60
  text "X" at 12433.46,3411.64 h60
  text "TOP" at 12559.46,3411.64 h60
  text "X" at 12943.46,3411.64 h60
  text "BOTTOM" at 13070.46,3411.64 h60
  text "SILKSCREEN COLOR:" at 11484.68,3244.64 h60
  text "X" at 12432.42,3244.64 h60
  text "WHITE" at 12559.46,3244.64 h60
  text "OTHER" at 13070.46,3244.64 h60
  text "GREEN" at 12690.46,3085.44 h60
  text "X" at 13155,3085 h60
  text "OTHER" at 13308.46,3085.44 h60
  text "RED" at 13675,3085 h60
  text "SOLDER RESIST COLOR:" at 11484.68,3074.64 h60
  text "MATTE" at 12690.46,2915.44 h60
  text "X" at 13155,2915 h60
  text "SEMI-GLOSS" at 13308,2914.8 h60
  text "IMMERSION GOLD (ENIG)" at 12390.46,2726.92 h60
  text "ENEPIG" at 13728,2723.64 h60
  text "SURFACE FINISH:" at 11329.46,2722.64 h60
  text "X" at 12203.51,2717.64 h60
  text "IMM. TIN/SILVER OR EQUIV" at 11659,2565.64 h60
  text "OTHER" at 13090.46,2565.64 h60
  text "ARRAY/PANEL:" at 11329.46,2386.64 h60
  text "CUT AND TRIM PER M1 BOARD OUTLINE" at 12390.46,2382.35 h60
  text "N.C. ROUTE" at 12390.46,2230.64 h60
  text "X" at 13069.46,2230.64 h60
  text "V. SCORE" at 13256.46,2230.64 h60
  text "CERTIFICATION:" at 11329.46,2093.64 h60
  text "MATERIALS AND WORKMANSHIP FOR ALL PCBS" at 12054.46,2093.64 h60
  text "TO MEET OR EXCEED THE REQUIREMENTS OF:" at 12054.46,1995.64 h60
  text "X" at 11680.96,1859.13 h60
  text "ANSI IPC-A-600F CLASS ->" at 11819.96,1859.13 h60
  text "X" at 13459.02,1859.13 h60
  text "2" at 13577.96,1859.14 h60
  text "1" at 13262.96,1857.64 h60
  text "3" at 13931.96,1857.64 h60
  text "X" at 12495.02,1699.64 h60
  text "RoHS" at 12631.96,1699.64 h60
  text "OTHER" at 13276.36,1699.64 h60
  text "PER ORDER" at 13673.42,1699.64 h60
  text "ALL BOARDS MUST MEET OR EXCEED UL94-V0 REQUIREMENTS." at 11357,1534 h60
  text "PCB MUST BEAR THE UL94V-0 UL REGISTERED MATERIAL ID NUMBER" at 11357,1414 h60
  text "ADDITIONAL REQUIREMENTS:" at 11329.46,1240.64 h60
  text "MICROSECTION:" at 11404.23,1125.64 h60
  text "YES" at 12309.96,1125.64 h60
  text "REQUIRED" at 13171.46,969.49 h60
  text "BARE BOARD ELEC. TEST:" at 11404.23,966.64 h60
  text "NONE" at 12709.96,966.64 h60
  text "X" at 13634.46,966.64 h60
  text "PER ORDER" at 13763.46,966.64 h60
  text ".Layer_Name" at 577,-858.49 h60
M11 Gerber Information:
  lines w10: -292,-930.17 6308,-930.17 ; -292,-726.83 6310,-726.83 ; -292,-523.5 -292,-1133.5 3713,-1133.5 6310,-1133.5 6310,-523.5 -291.5,-523.5 -291.5,-1133.5 1284,-1133.5 ; 2173,-1133.5 2173,-523.5 ; 3440,-726.83 3440,-523.5 ; 4280,-726.83 4280,-523.5 ; 4902,-1140 4902,-937.17
  text "ALL ARTWORK VIEWED FROM TOP SIDE" at -228.5,-655.67 h60
  text "BOARD #:" at 2248,-655.67 h60
  text ".PRJ_Number" at 2793.5,-655.67 h60
  text "REV:" at 3638,-655.67 h60
  text ".PCB_Rev" at 3929.5,-655.67 h60
  text "SVN REV:" at 4476,-655.67 h60
  text ".VersionControl_RevNumber" at 4982,-655.67 h60
  text "LAYER NAME =" at -228.5,-858.49 h60
  text "TID #:" at 2248,-859 h60
  text ".TID" at 2793.5,-859 h60
  text "PLOT NAME =" at -228.5,-1064.34 h60
  text ".plot_File_Name" at 577,-1064.34 h60
  text "GENERATED    :" at 2250,-1064.34 h60
  text ".Print_Date" at 3119.5,-1064.34 h60
  text ".Print_Time" at 3848.5,-1064.34 h60
  text "TEXAS INSTRUMENTS" at 5113,-1064.34 h60
M12 Stackup:
  drawing of 191 lines, arcs and shapes, not listed
  text "Layer" at 9790.34,7830 h60
  text "Name" at 10200.26,7830 h60
  text "Material" at 11130,7830 h60
  text "Thickness" at 11989.77,7830 h60
  text "Constant" at 12639.6,7830 h60
  text "Board Layer Stack" at 13209.46,7830 h60
  text "1" at 9790.34,7710 h60
  text "Top Overlay" at 10200.26,7710 h60
  text "2" at 9790.34,7590 h60
  text "Top Solder" at 10200.26,7590 h60
  text "Solder Resist" at 11130,7590 h60
  text "0.40mil" at 11989.77,7590 h60
  text "3.5" at 12639.6,7590 h60
  text "3" at 9790.34,7470 h60
  text "Top Layer" at 10200.26,7470 h60
  text "Copper" at 11130,7470 h60
  text "1.40mil" at 11989.77,7470 h60
  text "4" at 9790.34,7350 h60
  text "Dielectric1" at 10200.26,7350 h60
  text "FR-4" at 11130,7350 h60
  text "59.20mil" at 11989.77,7350 h60
  text "4.8" at 12639.6,7350 h60
  text "5" at 9790.34,7230 h60
  text "Bottom Layer" at 10200.26,7230 h60
  text "Copper" at 11130,7230 h60
  text "1.40mil" at 11989.77,7230 h60
  text "6" at 9790.34,7110 h60
  text "Bottom Solder" at 10200.26,7110 h60
  text "Solder Resist" at 11130,7110 h60
  text "0.40mil" at 11989.77,7110 h60
  text "3.5" at 12639.6,7110 h60
  text "7" at 9790.34,6990 h60
  text "Bottom Overlay" at 10200.26,6990 h60
  text ".Layer_Name" at 577,-858.49 h60
M13 Component Bodies Top:
  text ".Layer_Name" at 577,-858.49 h60
M14 Component Bodies Bottom:
  text ".Layer_Name" at 577,-858.49 h60
M15 Courtyards Top:
  text ".Layer_Name" at 577,-858.49 h60
M16 Courtyards Bottom:
  text ".Layer_Name" at 577,-858.49 h60
Drill Drawing:
  circle w10: c6013.58,7487.81 r22.02
  lines w10: 5991.56,6970.31 5991.56,6981.32 6002.57,6992.33 5991.56,7003.34 5991.56,7014.35 6002.57,7014.35 6013.58,7003.34 6024.59,7014.35 6035.6,7014.35 6035.6,7003.34 6024.59,6992.33 6035.6,6981.32 6035.6,6970.31 6024.59,6970.31 6013.58,6981.32 6002.57,6970.31 5991.56,6970.31 ; 5991.56,7069.41 6035.6,7069.41 6035.6,7113.45 5991.56,7113.45 5991.56,7069.41 ; 5991.56,7212.55 6035.6,7212.55 6013.58,7168.5 5991.56,7212.55 ; 5991.56,7267.6 6035.6,7267.6 6035.6,7311.64 5991.56,7311.64 5991.56,7267.6 ; 5991.56,7377.71 6002.57,7377.71 6013.58,7366.7 6024.59,7377.71 6035.6,7377.71 6024.59,7388.72 6035.6,7399.73 6024.59,7399.73 6013.58,7410.74 6002.57,7399.73 5991.56,7399.73 6002.57,7388.72 5991.56,7377.71 ; 5991.56,7564.89 6013.58,7575.9 6035.6,7564.89 6024.59,7586.91 6035.6,7608.93 6013.58,7597.92 5991.56,7608.93 6002.57,7586.91 5991.56,7564.89 ; 5991.56,7675 6002.57,7675 6002.57,7663.99 6024.59,7663.99 6024.59,7675 6035.6,7675 6035.6,7697.02 6024.59,7697.02 6024.59,7708.03 6002.57,7708.03 6002.57,7697.02 5991.56,7697.02 5991.56,7675 ; 5991.56,7785.1 6013.58,7763.08 6035.6,7785.1 6013.58,7807.13 5991.56,7785.1 ; 6000.37,7078.22 6026.8,7078.22 6026.8,7104.64 6000.37,7104.64 6000.37,7078.22
  lines w12: 5951,6940.58 9604.95,6940.58 ; 5951,7832.45 9604.95,7832.45 ; 6265.93,6841.48 6265.93,7931.55 ; 6582.66,6841.48 6582.66,7931.55 ; 7203.56,6841.48 7203.56,7931.55 ; 7447.4,6841.48 7447.4,7931.55 ; 7807.19,6841.48 7807.19,7931.55 ; 8514.77,6841.48 8514.77,7931.55 ; 9028.41,6841.48 9028.41,7931.55 ; 5951,6841.48 9604.95,6841.48 9604.95,7931.55 5951,7931.55 5951,6841.48
  text "Symbol" at 6010.46,7862.18 h72
  text "Quantity" at 6295.66,7862.18 h72
  text "Finished Hole Size" at 6612.39,7862.18 h72
  text "Plated" at 7233.29,7862.18 h72
  text "Hole Type" at 7477.13,7862.18 h72
  text "Drill Layer Pair" at 7836.92,7862.18 h72
  text "Hole Tolerance" at 8544.5,7862.18 h72
  text "Hole Length" at 9058.14,7862.18 h72
  text "6" at 6295.66,7763.08 h60
  text "35.43mil (0.900mm)" at 6612.39,7763.08 h60
  text "NPTH" at 7233.29,7763.08 h60
  text "Round" at 7477.13,7763.08 h60
  text "Top Layer - Bottom Layer" at 7836.92,7763.08 h60
  text "-" at 9058.14,7763.08 h60
  text "4" at 6295.66,7663.99 h60
  text "125.00mil (3.175mm)" at 6612.39,7663.99 h60
  text "NPTH" at 7233.29,7663.99 h60
  text "Round" at 7477.13,7663.99 h60
  text "Top Layer - Bottom Layer" at 7836.92,7663.99 h60
  text "-" at 9058.14,7663.99 h60
  text "3" at 6295.66,7564.89 h60
  text "7.87mil (0.200mm)" at 6612.39,7564.89 h60
  text "PTH" at 7233.29,7564.89 h60
  text "Round" at 7477.13,7564.89 h60
  text "Top Layer - Bottom Layer" at 7836.92,7564.89 h60
  text "-" at 9058.14,7564.89 h60
  text "304" at 6295.66,7465.79 h60
  text "12.00mil (0.305mm)" at 6612.39,7465.79 h60
  text "PTH" at 7233.29,7465.79 h60
  text "Round" at 7477.13,7465.79 h60
  text "Top Layer - Bottom Layer" at 7836.92,7465.79 h60
  text "-" at 9058.14,7465.79 h60
  text "3" at 6295.66,7366.7 h60
  text "16.00mil (0.406mm)" at 6612.39,7366.7 h60
  text "PTH" at 7233.29,7366.7 h60
  text "Round" at 7477.13,7366.7 h60
  text "Top Layer - Bottom Layer" at 7836.92,7366.7 h60
  text "-" at 9058.14,7366.7 h60
  text "36" at 6295.66,7267.6 h60
  text "40.00mil (1.016mm)" at 6612.39,7267.6 h60
  text "PTH" at 7233.29,7267.6 h60
  text "Round" at 7477.13,7267.6 h60
  text "Top Layer - Bottom Layer" at 7836.92,7267.6 h60
  text "-" at 9058.14,7267.6 h60
  text "22" at 6295.66,7168.5 h60
  text "40.16mil (1.020mm)" at 6612.39,7168.5 h60
  text "PTH" at 7233.29,7168.5 h60
  text "Round" at 7477.13,7168.5 h60
  text "Top Layer - Bottom Layer" at 7836.92,7168.5 h60
  text "-" at 9058.14,7168.5 h60
  text "2" at 6295.66,7069.41 h60
  text "19.69mil (0.500mm)" at 6612.39,7069.41 h60
  text "PTH" at 7233.29,7069.41 h60
  text "Slot" at 7477.13,7069.41 h60
  text "Top Layer - Bottom Layer" at 7836.92,7069.41 h60
  text "43.31mil (1.100mm)" at 9058.14,7069.41 h60
  text "2" at 6295.66,6970.31 h60
  text "23.62mil (0.600mm)" at 6612.39,6970.31 h60
  text "PTH" at 7233.29,6970.31 h60
  text "Slot" at 7477.13,6970.31 h60
  text "Top Layer - Bottom Layer" at 7836.92,6970.31 h60
  text "51.18mil (1.300mm)" at 9058.14,6970.31 h60
  text "382 Total" at 6295.66,6871.21 h60
  text "Slot definitions :" at 6010.46,6791.87 h60
  text "Routed Path Length" at 6452.42,6791.87 h60
  text "= Calculated from tool start centre position to tool end centre position." at 6983.3,6791.87 h60
  text "Hole Length" at 6452.42,6742.26 h60
  text "= Routed Path Length + Tool Size = Slot length as defined in the PCB layout" at 6783.99,6742.26 h60
  text ".Layer_Name" at 577,-858.49 h60
M17 Embedded Cavity:
  text ".Layer_Name" at 577,-858.49 h60
M18 Embedded Assembly:
  text ".Layer_Name" at 577,-858.49 h60
M19 Embedded Keepout:
  text ".Layer_Name" at 577,-858.49 h60

## Dimensions
50,1400 to 50,4300 on M2 Board Dimensions
50,1400 to 2350,1400 on M2 Board Dimensions
0,-400 to 1000,-400 on M2 Board Dimensions

## Text inside footprints (layer, text, board x,y; h text height)
C6: Top Overlay "+" at 1220,1625 h40 r90; M5 Assembly Top "+" at 1220,1625 h40 r90
"FCC Logo": Bottom Overlay "For evaluation only; not FCC approved for resale." at 1820,1465 h60
J1: Top Overlay "10" at 278,1850 h30; Top Overlay "1" at 295,2920 h30
J2: Top Overlay "11" at 2083,1850 h30; Top Overlay "20" at 2075,2920 h30
J3: Top Overlay "21" at 380,2920 h30
J101: Top Overlay "SBWTCK" at 1120,2958 h40 r90; Top Overlay "SBWTDIO" at 1020,2925 h40 r90; Top Overlay "TXD>>" at 920,3005 h40 r90; Top Overlay "RXD<<" at 820,3005 h40 r90
"RoHS Logo": Bottom Overlay "Pb" at 1259.25,2362.18 h120